# Altium PCB T12-4 3.0.PcbDoc
Units mil, origin at the board's own origin, x right, y up, seen from the top; angles counter-clockwise.
Board outline 1574.8 x 433.07 mil, 4 copper layers (Top Layer, VCC, GND, Bottom Layer), stack 51.1 mil thick; 59 components, 52 nets, 222 pads, 87 vias.
Unrouted connection lines stored in the file: 2.
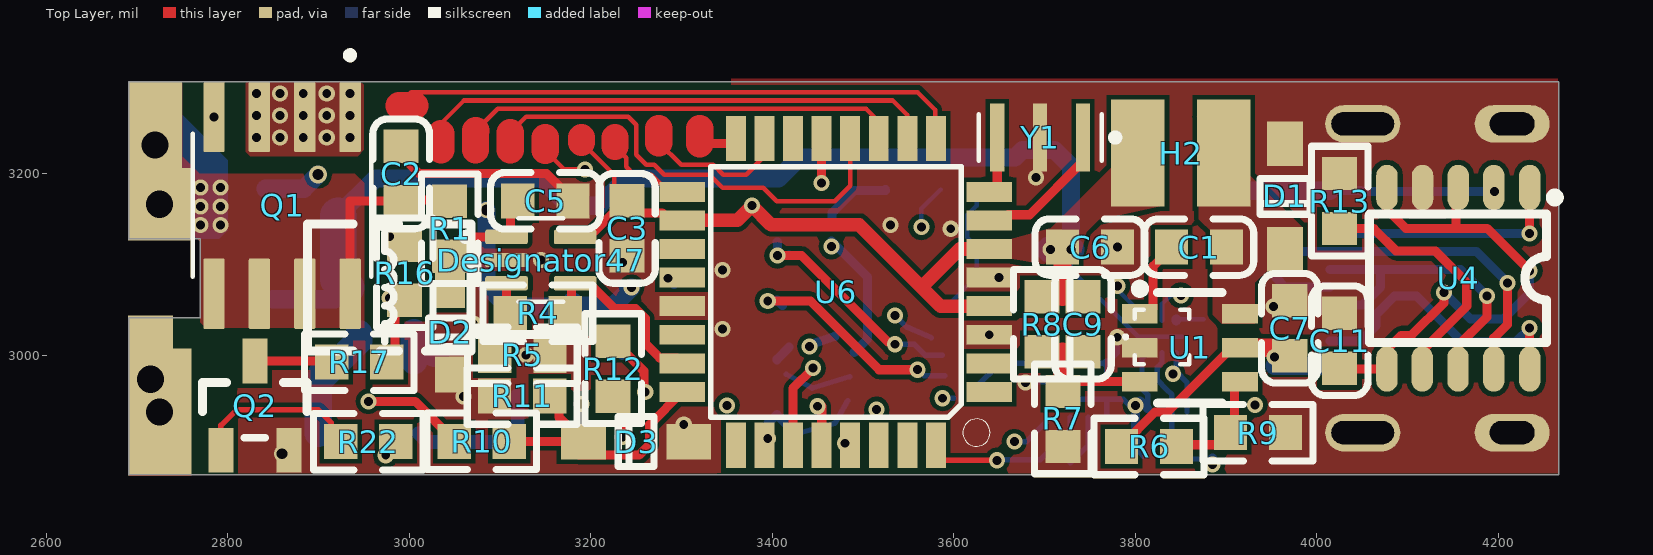
[diagram p0: Top Layer view]
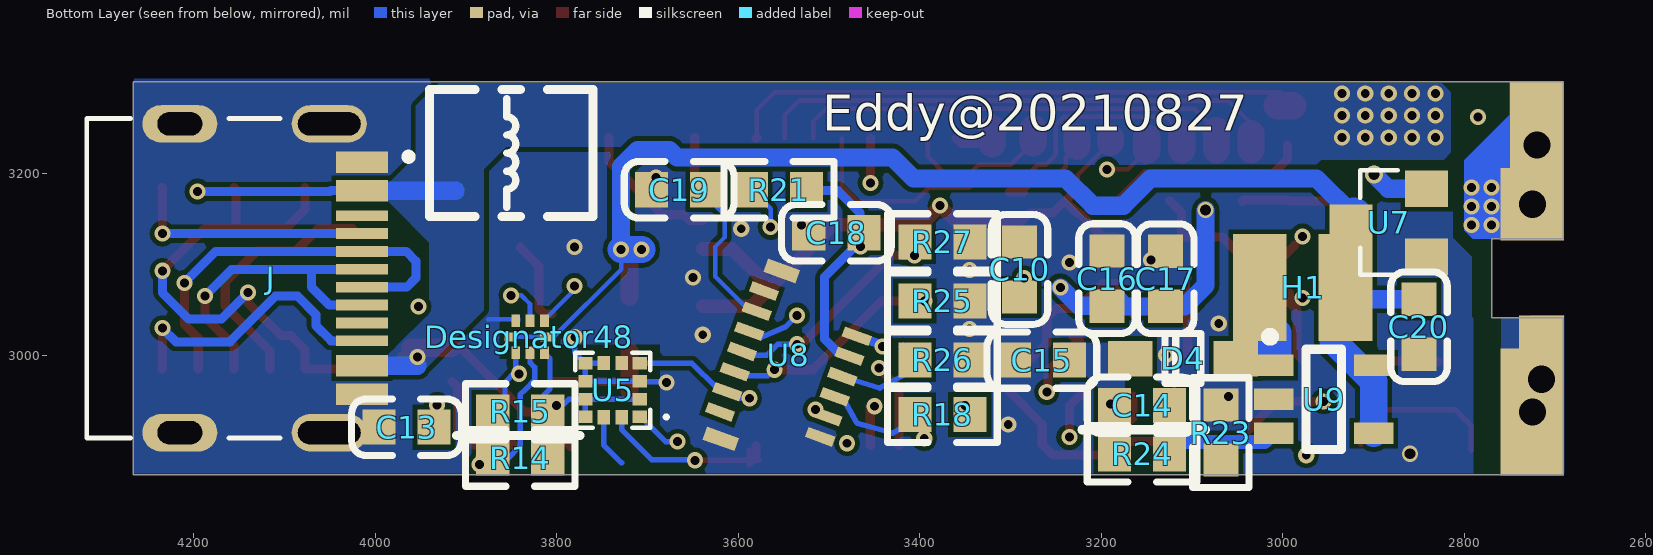
[diagram p1: Bottom Layer view, seen from below]
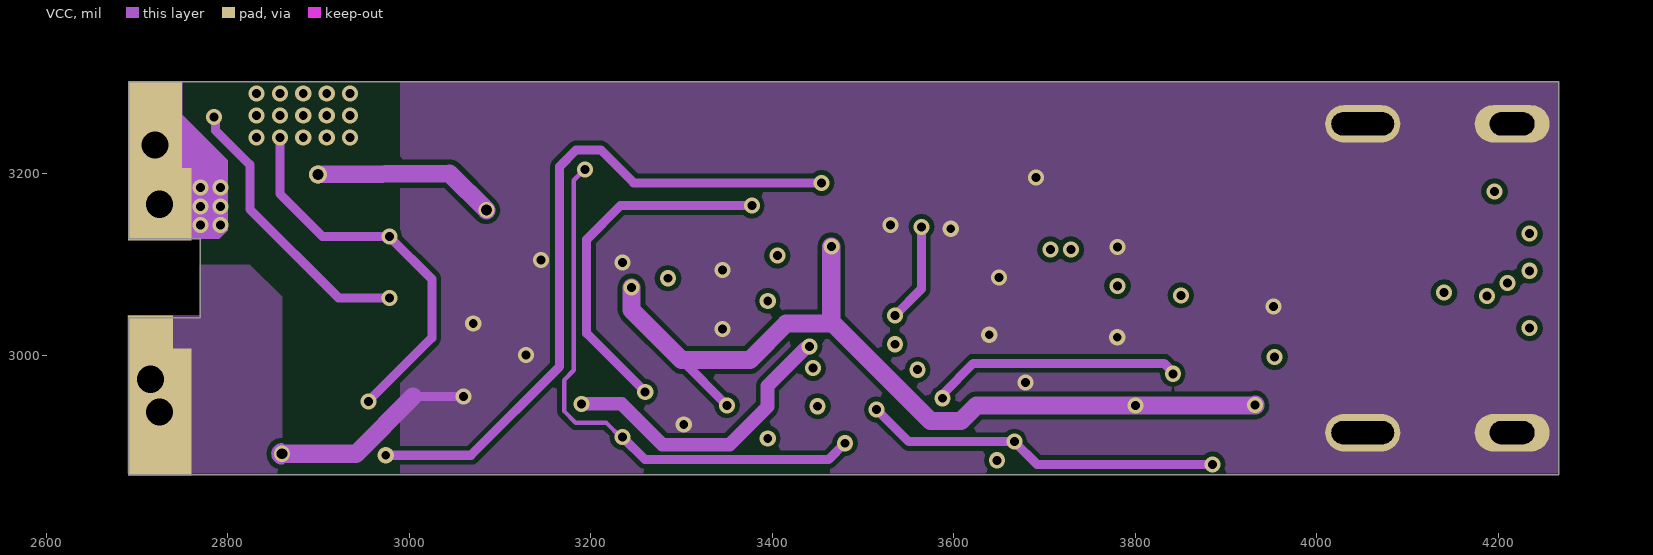
[diagram p2: VCC]
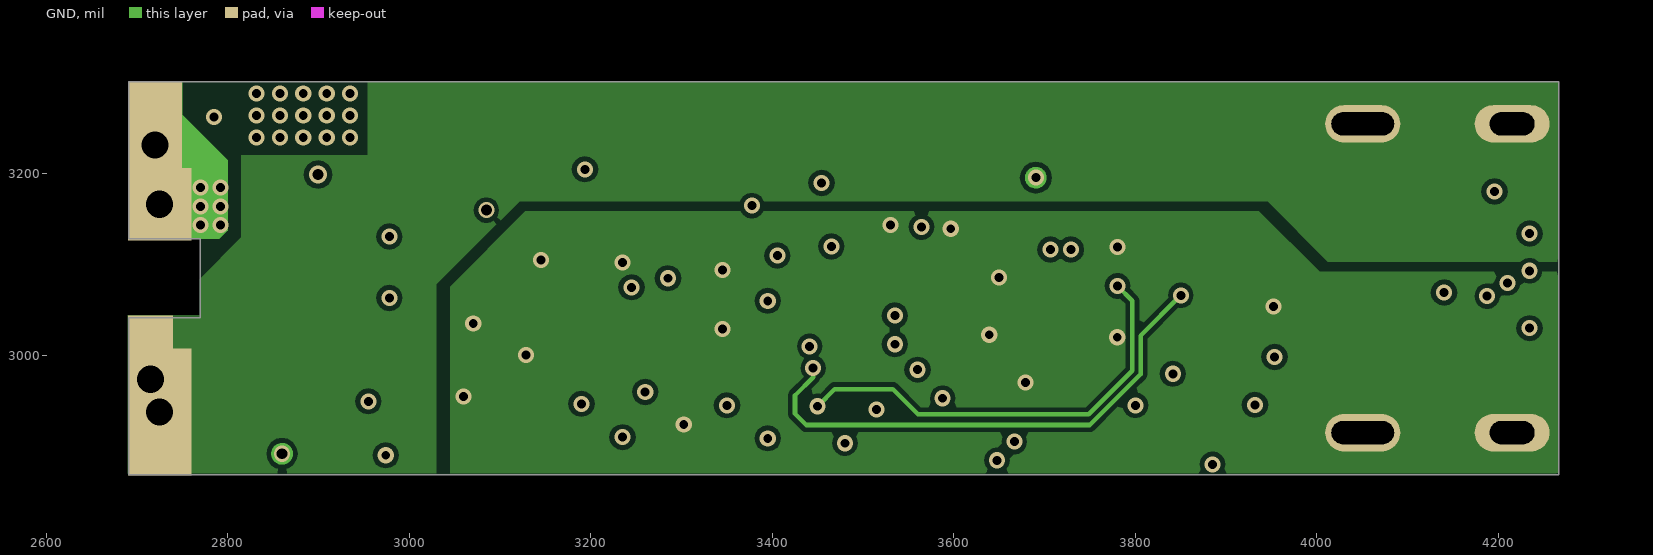
[diagram p3: GND]
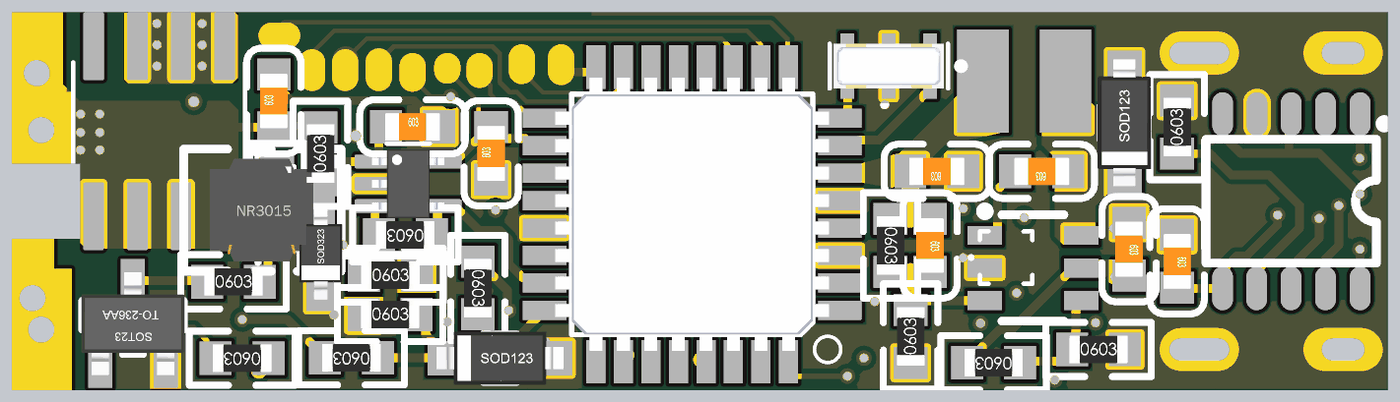
[diagram p4: 3D render of the assembled board from above, using the file's embedded part models]
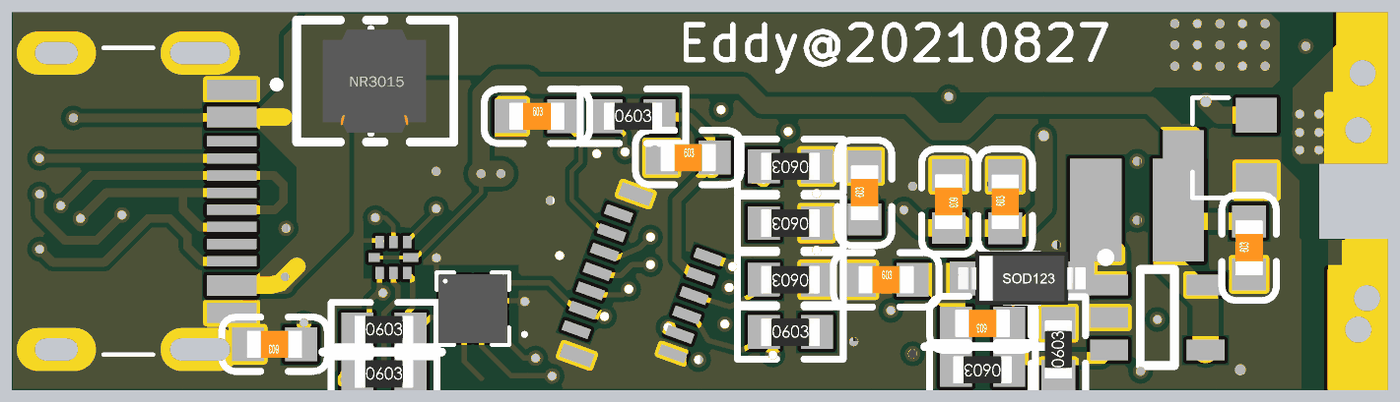
[diagram p5: 3D render of the assembled board from below, using the file's embedded part models]

## Layer stack, top to bottom
Top Solder: solder mask 0.4, Solder Resist, Dk 3.5
Top Layer: signal copper 1.3778
Dielectric 2: prepreg 4.2, PP-014, Dk 4.2
VCC: signal copper 0.4724
Dielectric 1: core 39, Core-042, Dk 4.6
GND: signal copper 0.4724
Dielectric 3: prepreg 4.2, PP-014, Dk 4.2
Bottom Layer: signal copper 1.3778
Bottom Solder: solder mask 0.4, Solder Resist, Dk 3.5

## Board outline
2691.26,2868.46 2691.26,3041.69 2770,3041.69 2770,3128.31 2691.26,3128.31 2691.26,3301.54 4266.06,3301.54 4266.06,2868.46

## Design rules (kind name [scope] priority, off if disabled: settings)
Clearance [All] p1: gap=5.3 ignorepadtopadclearanceinfootprint=FALSE except(4: Arc-Arc Arc-Track Track-Track)
ComponentClearance [All] p1: gap=0 collisioncheckmode=3 verticalgap=0 showdistances=FALSE
DiffPairsRouting [All] p1: maxlimit=10 minlimit=4 mostfreqgap=10 toplayer_minwidth=4 toplayer_maxwidth=15 toplayer_prefwidth=15 midlayer1_minwidth=4 midlayer1_maxwidth=15 midlayer1_prefwidth=15 midlayer2_minwidth=4 midlayer2_maxwidth=15 midlayer2_prefwidth=15 bottomlayer_minwidth=4 bottomlayer_maxwidth=15 bottomlayer_prefwidth=15 maxuncoupledlength=500
HoleSize [All] p1: absolutevalues=TRUE maxlimit=248.03 minlimit=7.87 maxpercent=80.000 minpercent=20.000
MinimumAnnularRing [All] p1: minimumring=4
PolygonConnect PolygonConnect_17 [All vs IsNamedPolygon('Top Layer-+5')] p1: connectstyle=Direct reliefconductorwidth=10 reliefentries=4 polygonreliefangle="90 Angle" airgapwidth=10
PolygonConnect PolygonConnect_16 [All vs IsNamedPolygon('Top Layer-NetC1_1')] p2: connectstyle=Direct reliefconductorwidth=10 reliefentries=4 polygonreliefangle="90 Angle" airgapwidth=10
PolygonConnect PolygonConnect_15 [All vs IsNamedPolygon('Top Layer-5.6v')] p3: connectstyle=Direct reliefconductorwidth=10 reliefentries=4 polygonreliefangle="90 Angle" airgapwidth=10
PolygonConnect PolygonConnect_14 [All vs IsNamedPolygon('GND-GND')] p4: connectstyle=Direct reliefconductorwidth=10 reliefentries=4 polygonreliefangle="90 Angle" airgapwidth=10
PolygonConnect PolygonConnect_13 [All vs IsNamedPolygon('Bottom Layer-P+')] p5: connectstyle=Direct reliefconductorwidth=10 reliefentries=4 polygonreliefangle="90 Angle" airgapwidth=10
PolygonConnect PolygonConnect_12 [All vs IsNamedPolygon('Top Layer-VCC 1')] p6: connectstyle=Direct reliefconductorwidth=10 reliefentries=4 polygonreliefangle="90 Angle" airgapwidth=10
PolygonConnect PolygonConnect_11 [All vs IsNamedPolygon('Top Layer-P+')] p7: connectstyle=Direct reliefconductorwidth=10 reliefentries=4 polygonreliefangle="90 Angle" airgapwidth=10
PolygonConnect PolygonConnect_10 [All vs IsNamedPolygon('Bottom Layer-VCC')] p8: connectstyle=Direct reliefconductorwidth=10 reliefentries=4 polygonreliefangle="90 Angle" airgapwidth=10
PolygonConnect PolygonConnect_9 [All vs IsNamedPolygon('Bottom Layer-GND')] p9: connectstyle=Direct reliefconductorwidth=10 reliefentries=4 polygonreliefangle="90 Angle" airgapwidth=10
PolygonConnect PolygonConnect_8 [All vs IsNamedPolygon('Top Layer-No Net')] p10: connectstyle=Direct reliefconductorwidth=10 reliefentries=4 polygonreliefangle="90 Angle" airgapwidth=10
PolygonConnect PolygonConnect_7 [All vs IsNamedPolygon('Bottom Layer-+15')] p11: connectstyle=Direct reliefconductorwidth=10 reliefentries=4 polygonreliefangle="90 Angle" airgapwidth=10
PolygonConnect PolygonConnect_6 [All vs IsNamedPolygon('Top Layer-+5 1')] p12: connectstyle=Direct reliefconductorwidth=10 reliefentries=4 polygonreliefangle="90 Angle" airgapwidth=10
PolygonConnect PolygonConnect_4 [All vs IsNamedPolygon('Top Layer-+5')] p13: connectstyle=Direct reliefconductorwidth=10 reliefentries=4 polygonreliefangle="90 Angle" airgapwidth=10
PolygonConnect PolygonConnect_5 [All vs IsNamedPolygon('Bottom Layer-+5')] p14: connectstyle=Direct reliefconductorwidth=10 reliefentries=4 polygonreliefangle="90 Angle" airgapwidth=10
PolygonConnect PolygonConnect_3 [All vs IsNamedPolygon('Top Layer-VCC')] p15: connectstyle=Direct reliefconductorwidth=10 reliefentries=4 polygonreliefangle="90 Angle" airgapwidth=10
PolygonConnect PolygonConnect_2 [All vs IsNamedPolygon('NETC1_1_L01_P024')] p16: thpad.connectstyle=Relief thpad.reliefconductorwidth=10 thpad.reliefentries=4 thpad.polygonreliefangle="90 Angle" thpad.airgapwidth=10 smdpad.connectstyle=Direct smdpad.reliefconductorwidth=10 smdpad.reliefentries=4 smdpad.polygonreliefangle="90 Angle" smdpad.airgapwidth=10 via.connectstyle=Relief via.reliefconductorwidth=10 via.reliefentries=4 via.polygonreliefangle="90 Angle" via.airgapwidth=10
PolygonConnect PolygonConnect_1 [All vs IsNamedPolygon('Top Layer-5.6v')] p17: thpad.connectstyle=Relief thpad.reliefconductorwidth=10 thpad.reliefentries=4 thpad.polygonreliefangle="90 Angle" thpad.airgapwidth=10 smdpad.connectstyle=Direct smdpad.reliefconductorwidth=10 smdpad.reliefentries=4 smdpad.polygonreliefangle="90 Angle" smdpad.airgapwidth=10 via.connectstyle=Relief via.reliefconductorwidth=10 via.reliefentries=4 via.polygonreliefangle="90 Angle" via.airgapwidth=10
PolygonConnect alll [All vs IsNamedPolygon('+5V_L01_P002') Or  IsNamedPolygon('GND-VDD33') Or  IsNamedPolygon('Top Layer-GND') Or  IsNamedPolygon('Bottom Layer-VDD33') Or  IsNamedPolygon('Top Layer-VDD33') Or  IsNamedPolygon('GND-GND') Or  IsNamedPolygon('VDD33_L02_P008') Or  IsNamedPolygon('Bottom Layer-GND') Or  IsNamedPolygon('VCC-GND')] p18: connectstyle=Direct reliefconductorwidth=10 reliefentries=4 polygonreliefangle="90 Angle" airgapwidth=10
PolygonConnect vdd3333 [All vs IsNamedPolygon('VDD33_L02_P008')] p19: connectstyle=Direct reliefconductorwidth=10 reliefentries=4 polygonreliefangle="90 Angle" airgapwidth=10
PolygonConnect all [All vs IsNamedPolygon('Top Layer-VDD33') Or  IsNamedPolygon('+5V_L01_P002') Or  IsNamedPolygon('Top Layer-GND') Or  IsNamedPolygon('Bottom Layer-VDD33') Or  IsNamedPolygon('VDD33_L02_P008') Or  IsNamedPolygon('VCC-GND') Or  IsNamedPolygon('GND-VDD33') Or  IsNamedPolygon('GND-GND') Or  IsNamedPolygon('Bottom Layer-GND')] p20: connectstyle=Direct reliefconductorwidth=10 reliefentries=4 polygonreliefangle="90 Angle" airgapwidth=10
PolygonConnect +5v_1 [All vs IsNamedPolygon('Bottom Layer-+5V')] p21: connectstyle=Direct reliefconductorwidth=10 reliefentries=4 polygonreliefangle="90 Angle" airgapwidth=10
PolygonConnect botton [All vs IsNamedPolygon('Bottom Layer-GND')] p22: thpad.connectstyle=Relief thpad.reliefconductorwidth=10 thpad.reliefentries=4 thpad.polygonreliefangle="90 Angle" thpad.airgapwidth=10 smdpad.connectstyle=Relief smdpad.reliefconductorwidth=10 smdpad.reliefentries=4 smdpad.polygonreliefangle="90 Angle" smdpad.airgapwidth=10 via.connectstyle=Direct via.reliefconductorwidth=10 via.reliefentries=4 via.polygonreliefangle="90 Angle" via.airgapwidth=10
PolygonConnect vdd_3 [All vs IsNamedPolygon('VDD33_L02_P008')] p23: thpad.connectstyle=Relief thpad.reliefconductorwidth=10 thpad.reliefentries=4 thpad.polygonreliefangle="90 Angle" thpad.airgapwidth=10 smdpad.connectstyle=Relief smdpad.reliefconductorwidth=10 smdpad.reliefentries=4 smdpad.polygonreliefangle="90 Angle" smdpad.airgapwidth=10 via.connectstyle=Direct via.reliefconductorwidth=10 via.reliefentries=4 via.polygonreliefangle="90 Angle" via.airgapwidth=10
PolygonConnect vdd_2 [All vs IsNamedPolygon('VDD33_L02_P018')] p24: thpad.connectstyle=Relief thpad.reliefconductorwidth=10 thpad.reliefentries=4 thpad.polygonreliefangle="90 Angle" thpad.airgapwidth=10 smdpad.connectstyle=Relief smdpad.reliefconductorwidth=10 smdpad.reliefentries=4 smdpad.polygonreliefangle="90 Angle" smdpad.airgapwidth=10 via.connectstyle=Direct via.reliefconductorwidth=10 via.reliefentries=4 via.polygonreliefangle="90 Angle" via.airgapwidth=10
PolygonConnect gndvdd33 [All vs IsNamedPolygon('VDD33_L02_P018')] p25: thpad.connectstyle=Relief thpad.reliefconductorwidth=10 thpad.reliefentries=4 thpad.polygonreliefangle="90 Angle" thpad.airgapwidth=10 smdpad.connectstyle=Relief smdpad.reliefconductorwidth=10 smdpad.reliefentries=4 smdpad.polygonreliefangle="90 Angle" smdpad.airgapwidth=10 via.connectstyle=Direct via.reliefconductorwidth=10 via.reliefentries=4 via.polygonreliefangle="90 Angle" via.airgapwidth=10
PolygonConnect "gnd ndd33" [All vs IsNamedPolygon('VDD33_L02_P018')] p26: thpad.connectstyle=Relief thpad.reliefconductorwidth=10 thpad.reliefentries=4 thpad.polygonreliefangle="90 Angle" thpad.airgapwidth=10 smdpad.connectstyle=Relief smdpad.reliefconductorwidth=10 smdpad.reliefentries=4 smdpad.polygonreliefangle="90 Angle" smdpad.airgapwidth=10 via.connectstyle=Direct via.reliefconductorwidth=10 via.reliefentries=4 via.polygonreliefangle="90 Angle" via.airgapwidth=10
PolygonConnect singnd [All vs IsNamedPolygon('GND-GND')] p27: thpad.connectstyle=Relief thpad.reliefconductorwidth=10 thpad.reliefentries=4 thpad.polygonreliefangle="90 Angle" thpad.airgapwidth=10 smdpad.connectstyle=Relief smdpad.reliefconductorwidth=10 smdpad.reliefentries=4 smdpad.polygonreliefangle="90 Angle" smdpad.airgapwidth=10 via.connectstyle=Direct via.reliefconductorwidth=10 via.reliefentries=4 via.polygonreliefangle="90 Angle" via.airgapwidth=10
PolygonConnect gnd [All vs IsNamedPolygon('VCC-GND')] p28: thpad.connectstyle=Relief thpad.reliefconductorwidth=10 thpad.reliefentries=4 thpad.polygonreliefangle="90 Angle" thpad.airgapwidth=10 smdpad.connectstyle=Relief smdpad.reliefconductorwidth=10 smdpad.reliefentries=4 smdpad.polygonreliefangle="90 Angle" smdpad.airgapwidth=10 via.connectstyle=Direct via.reliefconductorwidth=10 via.reliefentries=4 via.polygonreliefangle="90 Angle" via.airgapwidth=10
PolygonConnect vdd_1 [All vs IsNamedPolygon('Bottom Layer-VDD33')] p29: thpad.connectstyle=Relief thpad.reliefconductorwidth=10 thpad.reliefentries=4 thpad.polygonreliefangle="90 Angle" thpad.airgapwidth=10 smdpad.connectstyle=Relief smdpad.reliefconductorwidth=10 smdpad.reliefentries=4 smdpad.polygonreliefangle="90 Angle" smdpad.airgapwidth=10 via.connectstyle=Direct via.reliefconductorwidth=10 via.reliefentries=4 via.polygonreliefangle="90 Angle" via.airgapwidth=10
PolygonConnect topgnd [All vs IsNamedPolygon('Top Layer-GND')] p30: thpad.connectstyle=Relief thpad.reliefconductorwidth=10 thpad.reliefentries=4 thpad.polygonreliefangle="90 Angle" thpad.airgapwidth=10 smdpad.connectstyle=Relief smdpad.reliefconductorwidth=10 smdpad.reliefentries=4 smdpad.polygonreliefangle="90 Angle" smdpad.airgapwidth=10 via.connectstyle=Direct via.reliefconductorwidth=10 via.reliefentries=4 via.polygonreliefangle="90 Angle" via.airgapwidth=10
PolygonConnect vdd33 [All vs IsNamedPolygon('Top Layer-VDD33')] p31: connectstyle=Direct reliefconductorwidth=10 reliefentries=4 polygonreliefangle="90 Angle" airgapwidth=10
PolygonConnect +5v [All vs IsNamedPolygon('+5V_L01_P002')] p32: connectstyle=Direct reliefconductorwidth=10 reliefentries=4 polygonreliefangle="90 Angle" airgapwidth=10
PolygonConnect asm_1 [All vs IsNamedPolygon('Top Layer-VDD33')] p33: thpad.connectstyle=Direct thpad.reliefconductorwidth=10 thpad.reliefentries=4 thpad.polygonreliefangle="90 Angle" thpad.airgapwidth=10 smdpad.connectstyle=Direct smdpad.reliefconductorwidth=10 smdpad.reliefentries=4 smdpad.polygonreliefangle="90 Angle" smdpad.airgapwidth=10 via.connectstyle=Relief via.reliefconductorwidth=10 via.reliefentries=4 via.polygonreliefangle="90 Angle" via.airgapwidth=10
PolygonConnect asm [All vs IsNamedPolygon('Top Layer-VDD33')] p34: connectstyle=Relief reliefconductorwidth=10 reliefentries=4 polygonreliefangle="90 Angle" airgapwidth=10
PolygonConnect [All] p35: connectstyle=Relief reliefconductorwidth=10 reliefentries=4 polygonreliefangle="90 Angle" airgapwidth=10
RoutingVias [All] p1: holewidth=28 width=50 viastyle="Through Hole" minholewidth=8 minwidth=17.72 maxholewidth=50 maxwidth=80
SolderMaskExpansion [All] p1: expansion=4
Width [All] p1: maxlimit=50 minlimit=4 preferedwidth=10
27 further rules are at their usual default settings.

## Classes and differential pairs
component class T12: C1 C2 C3 C5 C6 C7 C9 C10 C11 C13 C14 C15 C16 C18 C19 D1 D2 D3 D4 J Q1 Q2 R1 R4 R5 R6 R7 R8 R9 R10 R11 R12 R13 R14 R15 R16 R17 R18 R21 R22 R23 R24 R25 R26 R27 U1 U4 U5 U6 U7 U8 U9 Y1

## Components (designator, comment, footprint, x,y, rotation, side; value= is the part's Value field where it differs from the comment)
C1 "100nF (104) 10% 50V" 0603_C 3870,3119.31 r180 top
C2 "1uF (105) 10% 50V" 0603_C 2991.18,3200 r90 top
C3 "100nF (104) 10% 50V" 0603_C 3240,3140 r90 top
C5 "2.2nF (222) 10% 50V" 0603_C 3150,3170.32 r0 top
C6 "10uF (106) 10% 10V" 0603_C 3750,3119.31 r180 top
C7 "4.7uF (475) 10% 16V" 0603_C 3970,3030 r270 top
C9 "33pF (330) 5% 50V" 0603_C 3742.24,3034.29 r270 top
C10 "100nF (104) 10% 50V" 0603_C 3290,3094.68 r90 bottom
C11 "1uF (105) 10% 50V" 0603_C 4025,3016.1 r270 top
C13 "1uF (105) 10% 50V" 0603_C 3965.32,2920.91 r0 bottom
C14 "10pF (100) 5% 50V" 0603_C 3155,2945 r0 bottom
C15 "10uF (106) 10% 10V" 0603_C 3265.32,2994.88 r180 bottom
C16 "10uF (106) 10% 10V" 0603_C 3193.65,3084.59 r270 bottom
C17 "100nF (104) 10% 50V" 0603_C 3129.09,3084.44 r90 bottom (schematic designator C10)
C18 "100nF (104) 10% 50V" 0603_C 3491.81,3135.12 r180 bottom
C19 "4.7uF (475) 10% 16V" 0603_C 3665,3182.5 r180 bottom
C20 "10uF (106) 10% 10V" 0603_C 2850,3031.55 r90 bottom (schematic designator C16)
D1 "B5819W  SL" SOD-123 3964.68,3175.12 r90 top
D2 "1N4148WS T4" SOD-323 3045,3025.32 r90 top
D3 "B5819W  SL" SOD-123 3250,2905 r0 top
D4 "B5819W  SL" SOD-123 3110,2996.47 r180 bottom
Designator47 "OPA333AIDCKR" SOT65P210X110-5N 3145,3105 r0 top
Designator48 "FXMAR2102UMX" FXMAR2102UMX 3829.26,3020.43 r0 bottom
H1 "Comment" NR3015 2978.16,3074.74 r0 bottom
H2 "47uh" NR3015 3850,3222.9 r180 top
J "TYPE-C-31-M-12" TYPE-C-31-M-12 4215,3085 r270 bottom
Q1 "AO4485" SOIC127P600X175-8N 2860,3165.32 r270 top
Q2 "SS8050 Y1" SOT-23(SOT-23-3) 2830,2944.69 r270 top
R1 "10KΩ (1002) ±1%" 0603_R 3044.61,3139.51 r90 top
R4 "200KΩ (2003) ±1%" 0603_R 3141.71,3046.34 r180 top
R5 "1KΩ (1001) ±1%" 0603_R 3124.68,3000 r0 top
R6 "10KΩ (1002) ±1%" 0603_R 3815,2899.69 r180 top
R7 "23.7KΩ (223) ±1%" 0603_R 3720,2930 r90 top
R8 "124KΩ (1243) ±1%" 0603_R 3696.93,3034.29 r270 top
R9 "22KΩ (2201) ±1%" 0603_R 3935,2914.92 r0 top
R10 "47KΩ (4702) ±1%" 0603_R 3080,2905.32 r180 top
R11 "10KΩ (1002) ±1%" 0603_R 3124.41,2955.21 r0 top
R12 "10KΩ (1002) ±1%" 0603_R 3224.67,2985.41 r270 top
R13 "180KΩ (1803) ±1%" 0603_R 4025,3170 r90 top
R14 "10KΩ (1002) ±1%" 0603_R 3840,2886.99 r180 bottom
R15 "10KΩ (1002) ±1%" 0603_R 3840,2937.76 r180 bottom
R16 "10KΩ (1002) ±1%" 0603_R 2995,3091.06 r90 top
R17 "4.7KΩ (4701) ±1%" 0603_R 2945,2992.55 r0 top
R18 "4.7KΩ (4701) ±1%" 0603_R 3375,2935 r180 bottom
R21 "4.7KΩ (4701) ±1%" 0603_R 3555,3182.5 r180 bottom
R22 "4.7KΩ (4701) ±1%" 0603_R 2955,2905 r180 top
R23 "100KΩ (1003) ±1%" 0603_R 3068.27,2915 r90 bottom
R24 "560KΩ (1002) ±1%" 0603_R 3155,2891.66 r0 bottom
R25 "4.7KΩ (4701) ±1%" 0603_R 3375,3060 r0 bottom
R26 "560KΩ (5603) ±1%" 0603_R 3375,2995 r0 bottom
R27 "4.7KΩ (4701) ±1%" 0603_R 3375,3125 r0 bottom
U1 "MP2451DT-LF-Z" SOT-23-6_L2.9-W1.6-P0.95-LS2.8-BR 3860,3010.43 r180 top
U4 "FS312" FS312 4160,3085 r0 top
U5 "LIS2DW12TR" LGA12R50P4X4_200X200X70 3738.27,2961.79 r0 bottom
U6 "MCU-ATMEGA328P-AU(TQFP32)" TQFP32-0.8-7X7MM 3470,3070 r180 top
U7 "PMIC-LDO-XC6206P332MR-G(SOT23)" SOT-23 2883.31,3146.23 r90 bottom
U8 "SH1107" FH35C-13S 3620,2937.76 r200 bottom
U9 "TPS61040DBVRG4" SOT-23-5 2955,2951.66 r0 bottom
Y1 "CSTCE16M0V51Z-R0" OSC_CSTCE16M0V51Z-R0 3695,3240 r180 top
